# Altium PCB FPGA_Module.PcbDoc (part 5 of 5)
Units mm, origin at the board's own origin, x right, y up, seen from the top; angles counter-clockwise.
Board outline 40 x 50 mm, 6 copper layers (Top Layer, Int1 (GND), Int2 (Sign), Int3 (Sign), Int4 (GND), Bottom Layer), stack 1.49 mm thick; 168 components, 205 nets, 1176 pads, 667 vias.
Unrouted connection lines stored in the file: 1.
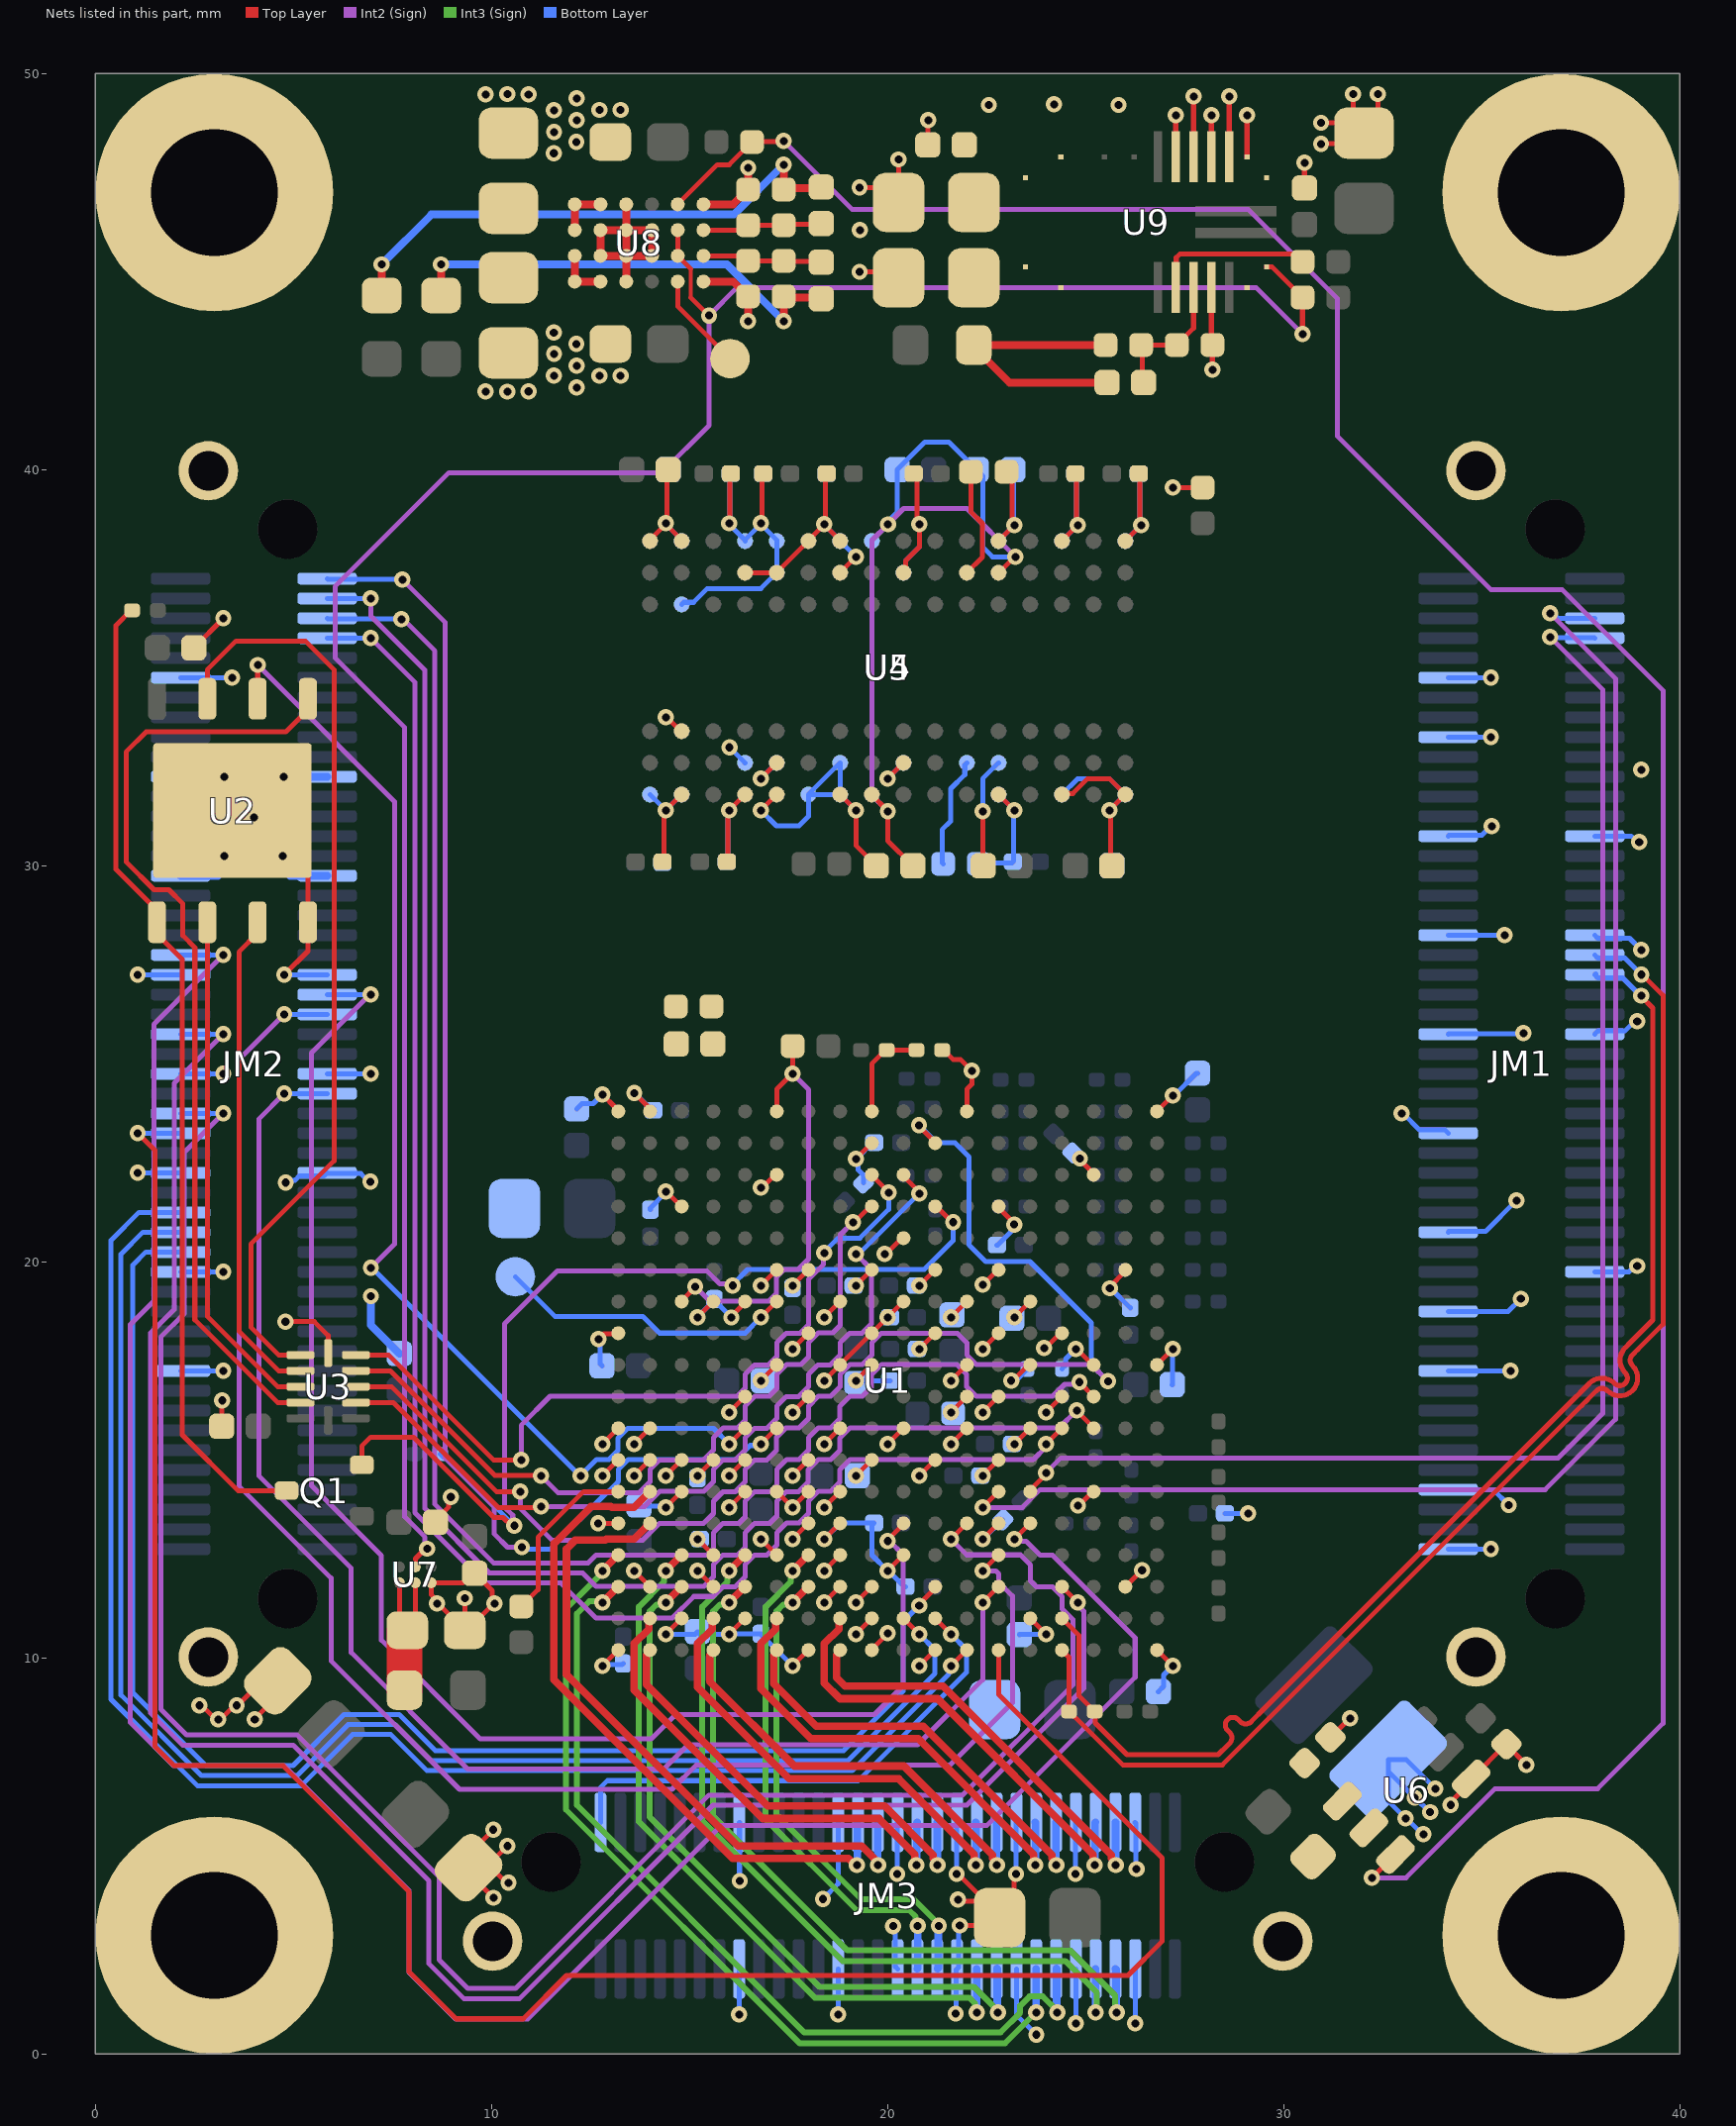
[diagram p9: the nets of this part, all layers, seen from the top]

## Via types
v1: diameter 0.406, hole 0.203, Top Layer to Bottom Layer, tented both sides, 667 vias

## Nets (pads, with @x,y where several pads share a name; then routed paths per layer and width w, separated by ;. In a path a pad name is that pad's centre, name@x,y a point inside that pad or via, vN(x,y) a via of type N, cw(c..) or ccw(c..) an arc to the next point about the centre after c; other vN are vias at no path point) (continued)
GND: C1.2 C2.2 C3.2 C4.1 C6.1 C7.1 C8.1 C9.1 C10.1 C11.1 C12.1 C13.1 C14.1 C15.1 C16.1 C18.1 C19.1 C20.1 C21.1 C22.1 C23.1 C24.1 C25.1 C26.1 C27.1 C28.1 C29.1 C30.1 C31.1 C32.1 C33.1 C34.1 C35.1 C36.1 C37.1 C38.1 C39.1 C40.1 C41.1 C42.1 C43.1 C44.1 C45.1 C46.1 C47.1 C48.1 C49.1 C50.1 C51.1 C52.1 C53.1 C54.1 C55.1 C56.1 C57.1 C58.1 C59.1 C60.1 C61.1 C62.1 C63.1 C65.1 C66.1 C67.1 C68.1 C69.1 C70.1 C71.1 C72.1 C74.1 C75.1 C76.1 C77.1 C78.1 C79.1 C80.1 C82.1 C83.1 C84.1 C85.1 C87.1 FB2.2 JM1.2 JM1.8 JM1.20 JM1.26 JM1.29 JM1.34 JM1.44 JM1.53 JM1.54 JM1.63 JM1.64 JM1.73 JM1.74 JM1.84 JM1.90 JM1.101 JM1.102 JM2.20 JM2.30 JM2.39 JM2.40 JM2.49 JM2.50 JM2.59 JM2.60 JM2.69 JM2.70 JM2.79 JM2.80 JM2.90 JM2.101 JM2.102 JM3.5 JM3.6 JM3.11 JM3.12 JM3.17 JM3.18 JM3.23 JM3.24 JM3.29 JM3.30 JM3.35 JM3.36 JM3.45 JM3.46 JM3.61 JM3.62 MH1.1 MH2.1 MH3.1 MH4.1 R16.2 R17.2 R18.2 R35.1 R47.1 R50.1 R52.1 R59.1 U1.A1 U1.A5 U1.A7 U1.A8 U1.A11 U1.A18 U1.B3 U1.B7 U1.B8 U1.B18 U1.C2 U1.C6 U1.C7 U1.C15 U1.D3 U1.D4 U1.D7 U1.D12 U1.E2 U1.E6 U1.E7 U1.E9 U1.E12 U1.F4 U1.F6 U1.F10 U1.F13 U1.F16 U1.G1 U1.G5 U1.G6 U1.G7 U1.G9 U1.G11 U1.G13 U1.H3 U1.H4 U1.H5 U1.H6 U1.H8 U1.H10 U1.H12 U1.J1 U1.J2 U1.J3 U1.J7 U1.J11 U1.J13 U1.J17 U1.K4 U1.K8 U1.K12 U1.K14 U1.L1 U1.L7 U1.L11 U1.L13 U1.M8 U1.M9 U1.M10 U1.M12 U1.M18 U1.N5 U1.N7 U1.N9 U1.N11 U1.N13 U1.N15 U1.P2 U1.P8 U1.P12 U1.R9 U1.R11 U1.T6 U1.T16 U1.U3 U1.U13 U1.V1 U1.V10 U1.V18 U2.4 U2.9 U3.6 U4.A9 U4.B1 U4.B3 U4.B9 U4.D1 U4.D8 U4.E1 U4.E2 U4.E8 U4.F9 U4.G1 U4.G8 U4.G9 U4.J2 U4.J8 U4.M1 U4.M9 U4.P1 U4.P9 U4.T1 U4.T9 U5.A9 U5.B1 U5.B3 U5.B9 U5.D1 U5.D8 U5.E1 U5.E2 U5.E8 U5.F9 U5.G1 U5.G8 U5.G9 U5.J2 U5.J8 U5.M1 U5.M9 U5.P1 U5.P9 U5.T1 U5.T9 U6.4 U7.C1 U8.A1 U8.A4 U8.C2 U8.C3 U8.D1 U8.D2 U8.D3 U8.D4 U8.E2 U8.E3 U9.1 U9.2 U9.3 U9.4 U9.5 U9.18 U9.24 | length 258.3
  Top Layer w0.127: C3.2@2.485,35.5 2.485,35.502 3.23,36.248 v1(3.23,36.25) ; v1(2.625,8.802) 2.686,8.802 3.039,8.45 3.158,8.45 3.51,8.802 3.591,8.802 4.211,9.422 C58.1@4.603,9.422 ; C2.2@3.19,15.85 3.195,15.855 3.195,16.495 v1(3.2,16.5) ; U2.9@3.46,31.395 3.73,31.395 5.365,29.76 U2.4@5.365,28.575 5.365,27.845 v1(4.77,27.25) ; v1(4.025,8.45) 4.025,8.462 4.603,9.04 C58.1@4.603,9.422 ; C58.1@4.603,9.565 C58.1@4.603,9.422 ; v1(4.799,18.491) 5.525,18.491 5.875,18.141 U3.6@5.875,17.7 ; C84.1@8.585,13.425 8.585,13.477 8.921,13.813 8.921,14.012 v1(8.974,14.065) ; C83.1@9.3,10.7 C83.1@9.325,10.7 ; v1(9.325,11.505) C83.1@9.325,10.7 ; v1(10.045,5.663) 9.422,5.04 C49.1@9.422,4.703 ; v1(10.051,3.946) 9.422,4.575 C49.1@9.422,4.703 ; v1(10.401,5.251) C49.1@9.853,4.703 ; v1(10.428,4.324) 10.37,4.324 9.991,4.703 C49.1@9.853,4.703 ; v1(12.695,13.4) U1.A5@13.2,13.4 ; v1(12.7,18.05) 12.835,18.184 13.184,18.184 U1.A11@13.2,18.2 ; v1(12.8,9.8) U1.A1@13.2,10.2 ; v1(12.8,14.6) U1.A7@13.162,14.962 ; v1(12.8,15.4) 13.162,15.762 U1.A8@13.162,15.75 ; v1(12.8,24.225) 13.14,23.885 13.154,23.885 U1.A18@13.159,23.89 ; v1(13.6,12.2) U1.B3@14,11.8 ; v1(13.6,14.6) U1.B7@13.962,14.962 ; v1(13.6,15.4) U1.B8@13.962,15.762 ; v1(13.606,24.262) U1.B18@13.969,23.9 ; U4.A9@14,38.2 14,38.225 v1@14.4,38.625 ; C13.1@14.315,30.1 14.358,30.143 14.358,31.358 v1(14.4,31.4) U4.B1@14.8,31.8 ; v1(14.4,10.6) U1.C2@14.8,11 ; v1(14.4,13.8) U1.C6@14.8,14.2 ; v1(14.4,14.6) U1.C7@14.762,14.962 ; v1(14.4,21.775) 14.413,21.775 14.75,21.438 U1.C15@14.762,21.438 ; v1(14.4,33.75) 14.425,33.75 14.775,33.4 U4.B3@14.8,33.4 ; C6.1@14.46,40 14.43,39.97 14.43,38.68 v1(14.4,38.65) v1@14.4,38.625 ; R35.1@14.632,26.468 R35.1@14.65,26.45 ; C28.1@14.665,25.505 C28.1@14.665,25.5 C28.1@14.682,25.482 ; U4.B9@14.8,38.2 14.8,38.225 v1@14.4,38.625 ; v1(15.2,12.2) U1.D3@15.6,11.8 ; v1(15.2,13) U1.D4@15.6,12.6 ; v1(15.2,14.6) U1.D7@15.562,14.962 ; v1(15.2,18.6) U1.D12@15.562,18.962 ; C7.1@15.94,30.1 15.97,30.13 15.97,31.37 v1(16,31.4) U4.D1@16.4,31.8 ; v1(16,10.6) U1.E2@16.4,11 ; v1(16,13.8) U1.E6@16.4,14.2 ; v1(16,14.6) U1.E7@16.362,14.962 ; v1(16,16.2) U1.E9@16.362,16.562 ; v1(16,38.644) 16.02,38.664 16.02,39.88 C12.1@16.04,39.9 ; v1(16.057,18.596) 16.057,18.626 16.362,18.932 U1.E12@16.362,18.962 ; U4.D8@16.4,37.4 U4.E8@17.2,37.4 U4.F9@18,38.2 18,38.213 v1@18.4,38.613 ; v1(16.8,13) U1.F4@17.2,12.6 ; v1(16.8,17) U1.F10@17.162,17.362 ; v1(16.8,19.4) U1.F13@17.162,19.762 ; v1(16.8,21.875) 16.838,21.875 17.125,22.162 U1.F16@17.162,22.162 ; v1(16.8,31.4) U4.E1@17.2,31.8 ; v1(16.8,32.2) U4.E2@17.2,32.6 ; v1(16.8,38.65) 16.83,38.68 16.83,39.87 C8.1@16.86,39.9 ; U1.F6@17.2,14.2 v1(17.6,13.8) U1.G6@17.962,14.162 ; v1(17.6,9.8) U1.G1@18,10.2 ; v1(17.6,13) U1.G5@18,13.4 ; v1(17.6,14.6) U1.G7@17.962,14.962 ; v1(17.6,16.2) U1.G9@17.962,16.562 ; v1(17.6,17.8) U1.G11@17.962,18.162 ; v1(17.6,19.4) U1.G13@17.962,19.762 ; v1(18.4,11.4) U1.H3@18.8,11.8 ; v1(18.4,12.2) U1.H4@18.8,12.6 ; v1(18.4,13) U1.H5@18.8,13.4 ; v1(18.4,13.8) U1.H6@18.762,14.162 ; v1(18.4,15.4) U1.H8@18.762,15.762 ; v1(18.4,17) U1.H10@18.762,17.362 ; v1(18.4,18.6) U1.H12@18.762,18.962 ; C9.1@18.46,39.9 18.43,39.87 18.43,38.655 v1(18.4,38.625) v1@18.4,38.613 ; U1.H10@18.8,17.4 U1.J11@19.6,18.2 v1(20,18.6) U1.K12@20.362,18.962 ; U4.G1@18.8,31.8 v1(19.2,31.4) 19.2,30.515 C16.1@19.715,30 ; U4.G8@18.8,37.4 v1(19.2,37.8) ; U4.G9@18.8,38.2 18.8,38.213 v1@18.4,38.613 ; v1(19.2,10.6) U1.J2@19.6,11 ; v1(19.2,11.4) U1.J3@19.6,11.8 ; v1(19.2,14.6) U1.J7@19.562,14.962 ; v1(19.2,19.4) U1.J13@19.562,19.762 ; v1(19.2,22.6) U1.J17@19.6,23 ; v1(19.293,44.994) 20.088,44.994 20.232,44.85 C76.1@20.273,44.85 C76.1@19.748,44.325 ; v1(19.293,47.125) 19.3,47.118 19.905,47.118 C75.1@20.273,46.75 20.275,46.752 v1(20.275,47.83) ; U1.J1@19.6,10.2 19.6,10.212 20,10.612 v1(20,10.625) ; v1(19.925,20.2) 19.963,20.2 20.325,20.562 U1.K14@20.362,20.562 ; v1(20,12.2) U1.K4@20.362,12.562 ; v1(20,15.4) U1.K8@20.362,15.762 ; v1(20,32.2) U4.J2@20.4,32.6 ; U4.J8@20.4,37.4 20.452,37.452 20.452,37.7 20.8,38.048 v1(20.8,38.625) 20.747,38.678 20.747,39.813 C10.1@20.66,39.9 ; v1(20.8,9.8) U1.L1@21.162,10.162 ; v1(20.8,14.6) U1.L7@21.162,14.962 ; v1(20.8,17.8) U1.L11@21.162,18.162 ; v1(20.8,19.4) U1.L13@21.162,19.762 ; C74.1@21.015,48.2 21.02,48.205 21.02,48.82 v1(21.025,48.825) ; R59.1@21.375,25.35 21.413,25.35 21.66,25.103 21.847,25.103 v1(22.125,24.825) 22.125,24.482 22.006,24.363 22.006,23.806 U1.M18@22,23.8 ; v1(21.6,15.4) U1.M8@21.962,15.762 ; v1(21.6,16.2) U1.M9@21.962,16.562 ; v1(21.6,17) U1.M10@21.962,17.362 ; v1(21.6,18.6) U1.M12@21.962,18.962 ; v1(21.741,4.542) 21.787,4.542 22.825,3.504 C50.1@22.825,3.45 ; v1(21.775,3.9) 21.819,3.856 22.419,3.856 C50.1@22.825,3.45 ; v1(21.825,3.247) 22.622,3.247 C50.1@22.825,3.45 ; v1(22.4,13) U1.N5@22.762,13.362 ; v1(22.4,14.6) U1.N7@22.762,14.962 ; v1(22.4,16.2) U1.N9@22.762,16.562 ; v1(22.4,17.8) U1.N11@22.762,18.162 ; v1(22.4,19.425) 22.413,19.425 22.825,19.838 U1.N13@22.838,19.838 ; U1.N15@22.8,21.4 22.8,21.369 23.196,20.973 v1(23.196,20.941) ; U4.M1@22.8,31.8 v1(23.2,31.4) ; U4.M9@22.8,38.2 v1(23.2,38.6) 23.147,38.653 23.147,39.803 R17.2@23,39.95 ; v1(23.2,15.4) U1.P8@23.562,15.762 ; v1(23.2,18.6) U1.P12@23.562,18.962 ; v1(23.241,4.542) 23.187,4.489 23.187,3.812 C50.1@22.825,3.45 ; U1.P2@23.638,10.962 v1(24,10.6) ; v1(23.95,17.825) 23.987,17.825 24.325,18.162 U1.R11@24.362,18.162 ; v1(24,16.2) U1.R9@24.362,16.562 ; U4.P1@24.4,31.8 24.425,31.825 24.673,31.825 25.038,32.191 25.61,32.191 U4.T1@26,31.8 v1(25.6,31.4) 25.63,31.37 25.63,30.03 C11.1@25.66,30 ; U4.P9@24.4,38.2 v1(24.8,38.6) 24.77,38.63 24.77,39.87 C14.1@24.74,39.9 ; v1(24.806,13.845) 24.826,13.845 25.181,14.2 U1.T6@25.2,14.2 ; v1(24.856,22.61) 24.856,22.577 25.187,22.246 U1.T16@25.187,22.2 ; v1(25.61,19.334) 25.61,19.372 26,19.762 U1.U13@26,19.8 ; U1.U3@26,11.8 26.005,11.8 26.419,12.214 v1(26.424,12.214) ; U4.T9@26,38.2 v1(26.4,38.6) 26.37,38.63 26.37,39.87 C26.1@26.34,39.9 ; U1.V18@26.8,23.8 v1(27.2,24.2) ; U1.V1@26.838,10.162 v1(27.2,9.8) ; U1.V10@26.838,17.438 v1(27.2,17.8) ; v1(27.2,39.55) R16.2@27.95,39.55 ; U9.5@27.273,47.9 27.273,48.948 v1(27.275,48.95) ; U9.4@27.723,47.9 27.723,49.423 v1(27.725,49.425) ; U9.18@28.173,44.6 28.173,43.175 R47.1@28.198,43.15 ; U9.3@28.173,47.9 v1@28.173,48.948 ; v1@28.199,42.526 R47.1@28.198,43.15 ; U9.2@28.623,47.9 v1@28.623,49.423 ; U9.1@29.073,47.9 v1@29.073,48.948 ; C72.1@30.524,47.111 v1(30.525,47.75) ; v1(30.943,48.225) 30.95,48.232 31.755,48.232 C71.1@32.023,48.5 ; v1(30.943,48.758) C71.1@31.765,48.758 ; C78.1@31.178,7.995 31.186,7.995 31.666,8.475 v1(31.675,8.475) ; v1(31.75,49.48) 31.75,48.773 C71.1@31.765,48.758 ; v1(32.375,49.48) 32.375,48.852 C71.1@32.023,48.5 ; v1(33.306,6.473) v1@33.319,6.473 ; v1@33.683,6.109 v1(33.696,6.109) ; v1(34.214,6.289) 34.214,6.36 34.73,6.876 U6.4@34.73,6.947 34.737,6.947 35.614,7.824 C77.1@35.621,7.824 35.621,7.814 36.125,7.31 v1(36.125,7.3) ; C83.1@9.325,10.7 9.388,10.7 10.063,11.375 v1(10.075,11.375) 10.022,11.428 10.022,11.693 C85.1@9.575,12.14 9.523,12.14 9.283,11.9 U7.C1@8.475,11.9 8.475,11.601 8.625,11.451 v1(8.625,11.375) 8.65,11.375 C83.1@9.325,10.7 ; C49.1@9.422,4.703 C49.1@9.853,4.703 ; C71.1@31.765,48.758 C71.1@32.023,48.5
  Top Layer w0.2: U8.D4@13.4,44.75 U8.D3@13.4,45.4 ; U8.D1@13.4,46.7 U8.D2@13.4,46.05 ; U8.A4@15.35,44.75 16.1,44.75 R50.1@16.475,44.375 v1(16.475,43.75) ; U8.A1@15.35,46.7 16.1,46.7 R52.1@16.475,47.075 ; R52.1@16.477,47.077 v1@16.477,47.62 ; U8.D3@13.4,45.4 U8.C3@14.05,45.4 U8.C2@14.05,46.05 U8.D2@13.4,46.05 ; U8.D3@13.4,45.4 U8.E3@12.75,45.4 U8.E2@12.75,46.05 U8.D2@13.4,46.05 ; U8.D3@13.4,45.4 U8.D2@13.4,46.05
  Top Layer w0.254: R52.1@16.475,47.075 R52.1@16.477,47.077 ; v1@16.477,47.62 v1(16.478,47.622)
  Bottom Layer w0.127: v1(1.07,22.25) JM2.40@2.15,22.25 ; v1(1.07,27.25) JM2.60@2.15,27.25 ; JM2.20@2.15,17.25 v1(3.23,17.25) ; JM2.30@2.15,19.75 v1(3.23,19.75) ; JM2.50@2.15,24.75 v1(3.23,24.75) ; JM2.90@2.15,34.75 v1(3.45,34.75) ; v1(4.77,27.25) JM2.59@5.85,27.25 ; v1(4.805,22.002) 4.858,22.056 5.03,22.056 5.039,22.065 5.045,22.065 5.151,22.171 5.771,22.171 JM2.39@5.85,22.25 5.871,22.229 6.7,22.229 6.904,22.025 v1(6.944,22.025) ; JM2.49@5.85,24.75 v1(6.95,24.75) ; C41.1@12.15,23.86 12.283,23.993 12.568,23.993 v1(12.8,24.225) ; v1(12.7,18.05) 12.745,18.005 12.745,17.42 C44.1@12.79,17.375 ; v1(12.8,9.8) 12.83,9.83 13.295,9.83 C66.1@13.325,9.86 ; v1(13.606,24.262) 13.617,24.262 14.054,23.825 C39.1@14.085,23.825 ; C70.1@13.725,13.86 13.755,13.83 14.37,13.83 v1(14.4,13.8) ; U5.A9@14,31.8 v1(14.4,31.4) ; C46.1@14.011,21.318 14.011,21.361 14.4,21.749 v1(14.4,21.775) ; C15.1@14.315,30.075 14.358,30.118 14.358,31.358 v1(14.4,31.4) ; v1(14.4,10.6) 15.14,10.6 C65.1@15.2,10.66 15.26,10.6 v1(16,10.6) 16.005,10.605 16.795,10.605 C67.1@16.8,10.61 ; C18.1@14.46,40 14.43,39.97 14.43,38.68 v1(14.4,38.65) 14.4,38.625 14.8,38.225 U5.B1@14.8,38.2 ; U5.B9@14.8,31.8 v1(14.4,31.4) ; U5.B3@14.8,36.6 14.852,36.652 15.1,36.652 15.448,37 16.8,37 U5.E2@17.2,37.4 U5.E1@17.2,38.2 17.2,38.225 v1@16.8,38.625 ; v1(15.2,18.6) 15.2,18.608 15.625,19.033 C38.1@15.625,19.034 ; C38.1@15.625,19.06 C38.1@15.625,19.034 ; C20.1@15.94,30.1 15.97,30.13 15.97,31.37 v1(16,31.4) ; v1(16.008,32.99) U5.D8@16.4,32.6 ; C22.1@16.04,39.9 16.02,39.88 16.02,38.664 v1(16,38.644) 16,38.622 U5.D1@16.4,38.222 ; v1(16.057,18.596) 16.057,18.602 C38.1@15.625,19.034 ; v1(16.25,1) JM3.46@16.25,2.15 ; JM3.45@16.25,5.85 16.26,5.84 16.26,4.38 v1(16.27,4.37) ; U5.D1@16.4,38.2 U5.D1@16.4,38.222 ; v1(16.8,31.4) 17.194,31.006 17.763,31.006 18,31.243 U5.F9@18,31.8 ; v1(16.8,32.2) U5.E8@17.2,32.6 ; C67.1@16.802,10.61 C67.1@16.8,10.61 ; C21.1@16.86,39.9 16.83,39.87 16.83,38.68 v1(16.8,38.65) v1@16.8,38.625 ; v1(17.6,9.8) 17.595,9.8 16.8,10.595 C67.1@16.8,10.61 ; v1(18.364,3.914) 18.75,4.3 JM3.35@18.75,5.85 ; v1(18.4,13) 18.808,13.408 C35.1@19.658,13.408 19.607,13.357 19.607,12.593 v1(20,12.2) 20.015,12.2 20.415,11.8 C34.1@20.45,11.8 ; C24.1@18.46,39.9 18.43,39.87 18.43,38.655 v1(18.4,38.625) 18.4,38.613 18.8,38.213 U5.G1@18.8,38.2 v1(19.2,37.8) ; v1(18.75,1) JM3.36@18.75,2.15 ; v1(19.2,31.4) U5.G9@18.8,31.8 ; C47.1@19.39,21.99 19.39,22.19 19.253,22.327 19.253,22.547 v1(19.2,22.6) 19.215,22.6 19.626,23.011 C48.1@19.661,23.011 ; v1(20,32.2) U5.J8@20.4,32.6 ; v1(20.138,3.228) 20.191,3.175 20.191,2.209 JM3.30@20.25,2.15 ; v1(20.241,4.542) 20.245,4.547 20.245,5.845 JM3.29@20.25,5.85 ; U5.J2@20.4,37.4 20.452,37.452 20.452,37.7 20.8,38.048 v1(20.8,38.625) ; v1(21.717,1.021) 21.734,1.037 21.734,2.134 JM3.24@21.75,2.15 21.787,2.187 21.787,3.21 v1(21.825,3.247) ; v1@21.745,4.547 JM3.23@21.745,5.845 ; R18.2@22.3,30.05 22.325,30.075 23.135,30.075 C25.1@23.16,30.1 23.18,30.12 23.18,31.38 v1(23.2,31.4) U5.M9@22.8,31.8 ; v1(22.4,13) 22.413,13 22.897,13.485 C33.1@22.91,13.485 ; C45.1@22.76,20.425 22.78,20.425 23.142,20.787 23.142,20.888 v1(23.196,20.941) ; U5.M1@22.8,38.2 v1(23.2,38.6) 23.18,38.62 23.18,39.98 C4.1@23.16,40 ; v1@23.245,4.547 JM3.17@23.245,5.845 ; JM3.18@23.25,2.15 23.25,0.992 v1(23.754,0.488) ; C30.1@23.325,10.59 23.33,10.595 23.995,10.595 v1(24,10.6) ; U5.P9@24.4,31.8 24.791,32.191 25.61,32.191 U5.T9@26,31.8 v1(25.6,31.4) 25.63,31.37 25.63,30.03 C23.1@25.66,30 ; U5.P1@24.4,38.2 v1(24.8,38.6) 24.77,38.63 24.77,39.87 C19.1@24.74,39.9 ; v1@24.745,4.547 JM3.11@24.745,5.845 ; v1(24.75,0.775) JM3.12@24.75,2.141 ; v1@25.604,19.334 v1(25.61,19.334) 25.63,19.334 C37.1@26.124,18.84 ; U5.T1@26,38.2 v1(26.4,38.6) 26.37,38.63 26.37,39.87 C27.1@26.34,39.9 ; JM3.5@26.245,5.845 26.266,5.824 26.266,4.687 v1(26.283,4.671) ; v1(26.25,0.775) JM3.6@26.25,2.141 ; C31.1@26.835,9.15 26.968,9.283 26.968,9.568 v1(27.2,9.8) ; C43.1@27.185,16.9 27.192,16.908 27.192,17.792 v1(27.2,17.8) ; v1(27.2,24.2) 27.232,24.2 27.793,24.76 C40.1@27.825,24.76 ; C32.1@28.515,13.65 v1(29.1,13.65) ; v1(32.975,23.75) 33.012,23.75 33.432,23.329 34.071,23.329 JM1.44@34.15,23.25 ; v1(33.306,6.473) C57.1@32.637,7.142 ; v1@33.319,6.473 v1@33.683,6.109 ; v1(33.525,5.55) 33.5,5.55 33.1,5.95 v1(33.075,5.95) 32.637,6.388 C57.1@32.637,7.142 ; v1(33.825,6.7) 33.087,7.438 C57.1@32.637,7.438 C57.1@32.637,7.142 ; JM1.2@34.15,12.75 v1(35.23,12.75) ; JM1.8@34.15,14.25 35.285,14.25 v1(35.678,13.856) ; JM1.20@34.15,17.25 v1(35.725,17.25) ; JM1.26@34.15,18.75 35.668,18.75 v1(35.985,19.067) ; JM1.34@34.15,20.75 34.17,20.77 35.095,20.77 v1(35.875,21.55) ; JM1.54@34.15,25.75 34.162,25.763 36.038,25.763 v1(36.05,25.775) ; JM1.64@34.15,28.25 v1(35.575,28.25) ; JM1.74@34.15,30.75 34.173,30.773 34.999,30.773 35.226,31 v1(35.25,31) ; JM1.84@34.15,33.25 v1(35.23,33.25) ; JM1.90@34.15,34.75 v1(35.23,34.75) ; JM1.29@37.85,19.75 38.717,19.75 38.862,19.895 v1(38.924,19.895) ; JM1.53@37.85,25.75 37.929,25.829 38.613,25.829 38.858,26.075 v1(38.924,26.075) ; JM1.63@37.85,28.25 37.929,28.171 38.729,28.171 v1(39.025,27.875) ; JM1.73@37.85,30.75 38.771,30.75 38.921,30.6 v1(38.974,30.6) ; U5.D1@16.4,38.222 16.4,38.225 v1@16.8,38.625 ; U5.F9@18,31.8 U5.G9@18.8,31.8 ; U5.F9@18,31.8 U5.G8@18.8,32.6 U5.G9@18.8,31.8
  Bottom Layer w0.2: JM2.70@2.15,29.75 3.087,29.75 3.25,29.913 v1(3.25,30.25) ; JM2.80@2.15,32.25 v1(3.25,32.25) ; v1(4.725,30.25) 4.725,29.938 4.913,29.75 JM2.69@5.85,29.75 ; v1(4.75,32.25) JM2.79@5.85,32.25 ; v1(6.956,19.131) 6.957,18.403 C1.2@7.675,17.685
  other v1: 24.741,4.542 3.1,8.45 3.568,8.802 4,31.225 39.025,32.425 9.85,41.975 10.4,41.97 10.936,41.975 12.15,42.075 11.575,42.375 12.725,42.37 13.258,42.37 28.2,42.525 12.15,42.625 11.58,42.925 12.145,43.175 11.575,43.461 19.3,46.05 11.575,47.989 12.145,48.275 11.58,48.525 12.15,48.825 28.175,48.95 29.075,48.95 11.575,49.075 12.725,49.08 13.258,49.08 22.555,49.205 25.83,49.205 24.2,49.225 12.15,49.375 28.625,49.425 9.85,49.475 10.936,49.475 10.4,49.48
LCLK_N: JM1.61 R10.1 U1.R1 | length 33
  Top Layer w0.127: U1.R1@24.4,10.2 24.4,10.191 24.577,10.014 24.577,9.124 24.577,8.652 R10.1@24.575,8.65 24.587,8.65 24.712,8.526 25.937,7.3 28.45,7.3 37.525,16.375 37.66,16.51 ccw(c37.57,16.602) 37.661,16.511 37.899,16.749 ; 37.899,16.749 cw(c38.034,16.615) 38.169,16.748 ; 38.17,16.748 ccw(c38.485,17.066) 38.802,16.749 ccw(c38.485,17.066) 38.801,17.383 cw(c38.937,17.517) 38.802,17.652 ; 38.803,17.653 38.938,17.788 39.575,18.425 39.575,22.581 39.575,26.727 39.048,27.253 v1(39.029,27.253)
  Bottom Layer w0.127: JM1.61@37.85,27.75 37.929,27.671 38.612,27.671 v1(39.029,27.253)
LCLK_P: JM1.59 R10.2 U1.R2 | length 33
  Top Layer w0.127: U1.R2@24.4,11 24.834,10.565 24.834,9.041 R10.2@25.225,8.65 ; R10.2@25.213,8.65 25.242,8.621 25.242,8.359 26.044,7.557 28.343,7.557 28.591,7.805 28.636,7.85 ccw(c28.501,7.984) 28.636,8.119 28.58,8.174 cw(c28.715,8.309) 28.58,8.444 cw(c28.715,8.309) 28.85,8.444 28.905,8.388 ccw(c29.04,8.523) 29.175,8.388 29.519,8.733 37.343,16.557 37.478,16.692 cw(c37.57,16.602) 37.479,16.693 37.717,16.93 cw(c38.034,16.615) 38.308,16.969 38.313,16.969 38.35,16.932 ; 38.35,16.932 ccw(c38.485,17.066) 38.62,16.931 ccw(c38.485,17.066) 38.621,17.2 cw(c38.937,17.517) 38.619,17.201 cw(c38.937,17.517) 38.62,17.834 38.756,17.97 39.318,18.532 39.318,22.475 39.318,26.406 39.025,26.699 v1(39.025,26.72)
  Bottom Layer w0.127: JM1.59@37.875,27.275 JM1.59@37.85,27.25 37.929,27.171 38.555,27.171 39.006,26.72 v1(39.025,26.72)
LEDs_1: JM1.93 U1.P6 | length 36.6
  Top Layer w0.127: U1.P6@23.562,14.175 23.562,14.2 24,14.638 v1(24,14.675)
  Int2 (Sign) w0.127: v1(24,14.675) 24.375,15.05 36.93,15.05 38.05,16.17 38.05,34.45 v1(36.725,35.775)
  Bottom Layer w0.127: v1(36.725,35.775) 36.738,35.762 37.838,35.762 JM1.93@37.85,35.75
LEDs_2: JM1.95 U1.N6 | length 39.6
  Top Layer w0.127: v1(22.4,13.8) U1.N6@22.762,14.162
  Int2 (Sign) w0.127: v1(22.4,13.8) 23.4,13.8 23.85,14.25 36.6,14.25 38.374,16.024 38.374,34.726 v1(36.725,36.375)
  Bottom Layer w0.127: v1(36.725,36.375) 36.801,36.375 36.926,36.25 JM1.95@37.85,36.25
MGT_CLK1_N: JM3.31 U1.B5 | length 16.5
  Top Layer w0.191: U1.B5@14,13.4 13.597,12.997 12.894,12.997 12.871,12.974 12.117,12.974 11.893,12.75 11.893,9.582 16.221,5.254 19.343,5.254 19.651,4.946 19.651,4.936 19.758,4.828 v1(19.758,4.77)
  Bottom Layer w0.191: v1@19.75,4.778 JM3.31@19.75,5.85
MGT_CLK1_P: JM3.33 U1.B6 | length 17.1
  Top Layer w0.191: U1.B6@14,14.2 13.603,13.803 13.035,13.803 13.012,13.826 12.519,13.826 11.575,12.882 11.575,9.451 16.09,4.936 19.005,4.936 19.172,4.77 v1(19.225,4.77)
  Bottom Layer w0.191: v1(19.225,4.77) 19.238,4.782 19.238,5.837 JM3.33@19.225,5.85
MGT_RX0_N: JM3.8 U1.E3 | length 19.8
  Top Layer w0.191: v1(16,11.4) U1.E3@16.4,11.8
  Int3 (Sign) w0.148: v1(16,11.4) 15.951,11.351 15.768,11.351 15.596,11.179 15.596,6.004 18.975,2.625 24.597,2.625 25.747,1.475 25.747,1.086 v1(25.783,1.05)
  Bottom Layer w0.191: JM3.8@25.75,2.15 25.767,2.133 25.767,1.067 v1(25.783,1.05)
MGT_RX0_P: JM3.10 U1.E4 | length 20.5
  Top Layer w0.191: v1(16,12.2) U1.E4@16.4,12.6
  Int3 (Sign) w0.148: v1(16,12.2) 15.951,12.151 15.951,11.922 15.321,11.292 15.321,5.89 18.861,2.35 24.483,2.35 25.284,1.549 25.284,1.084 v1(25.25,1.05)
  Bottom Layer w0.191: v1(25.25,1.05) JM3.10@25.25,2.15
MGT_RX1_N: JM3.14 U1.A3 | length 22.5
  Top Layer w0.191: v1(12.8,11.4) U1.A3@13.2,11.8
  Int3 (Sign) w0.148: v1(12.8,11.4) 12.77,11.43 12.465,11.43 12.153,11.118 12.153,6.285 17.889,0.55 22.855,0.55 23.346,1.041 23.346,1.217 23.583,1.454 23.917,1.454 24.283,1.088 v1(24.283,1.05)
  Bottom Layer w0.191: JM3.14@24.258,2.158 24.267,2.15 24.267,1.067 v1(24.283,1.05)
MGT_RX1_P: JM3.16 U1.A4 | length 22.7
  Top Layer w0.191: v1(12.8,12.2) U1.A4@13.2,12.6
  Int3 (Sign) w0.148: v1(12.8,12.2) 12.8,12.153 12.508,11.861 11.879,11.232 11.879,6.171 17.775,0.275 22.969,0.275 23.744,1.05 v1(23.75,1.05)
  Bottom Layer w0.191: v1(23.75,1.05) JM3.16@23.75,2.15